# KiCad board Coral Dev Board Micro-PcbDoc.kicad_pcb
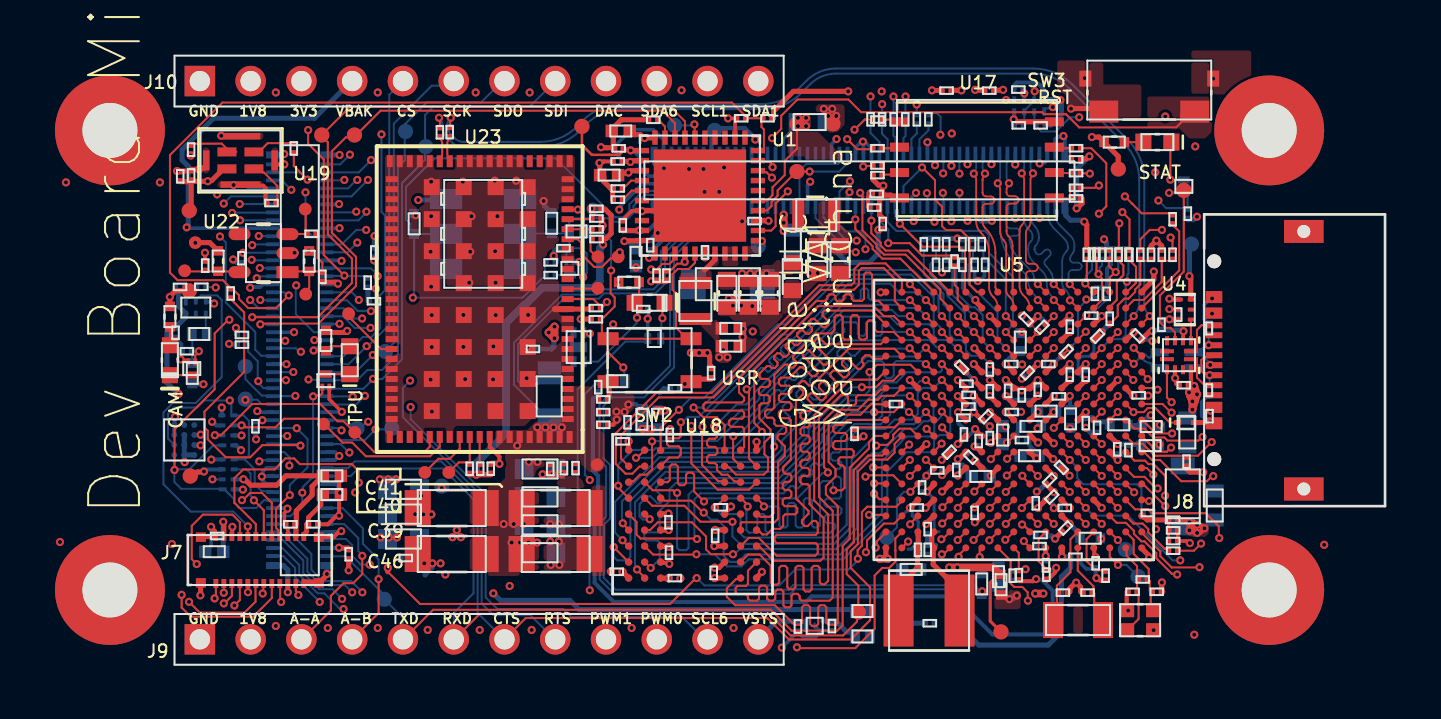
[diagram p0: board, top side]
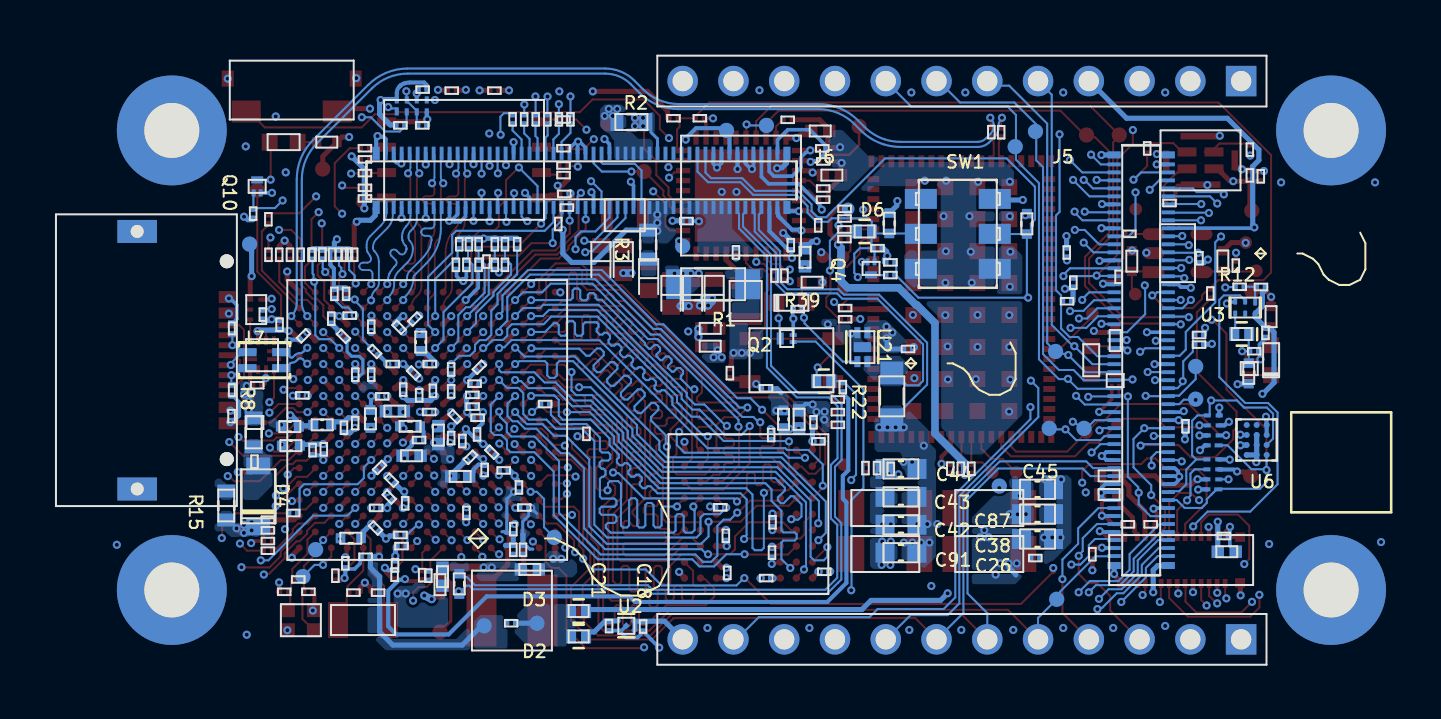
[diagram p1: board, bottom side, seen from below]

Outline 61.2 x 30.48 mm; copper layers: Top, In1.Cu, In2.Cu, In3.Cu, In4.Cu, In5.Cu, In6.Cu, Bottom. Coordinates in mm from the lower left corner of the outline.

## Placement (name value [footprint] x y rotation side)
C1  CAP, CER, X5R, 2.2uF, 20%, 6.3V, 0201, 0.39mm  [C0201_MOD]  24.58 27.27 0 top
C2  CAP, CER, X5R, 1uF, 10V, 10%, 0402, AUTOGRADE  [C0402#2]  22.37 24.5 0 top
C3  CAP, CER, X5R, 1uF, 10V, 10%, 0402, AUTOGRADE  [C0402#4]  23.72 20.39 0 bottom
C4  CAP, CER, X5R, 22uF, 20%, 10V, 0603  [C0603_L_ZEROMASK]  30.43 18.59 0 top
C5  CAP, CER, X5R, 22uF, 20%, 10V, 0603  [C0603_L_ZEROMASK]  31.54 19.42 0 top
C6  CAP, CER, X5R, 22uF, 20%, 10V, 0603  [C0603_L_ZEROMASK]  28.27 18.59 0 top
C7  CAP, CER, X5R, 22uF, 20%, 10V, 0603  [C0603_L_ZEROMASK]  29.35 18.59 0 top
C8  CAP, CER, X5R, 22uF, 20%, 10V, 0603  [C0603_L_ZEROMASK]  32.81 20.27 0 top
C9  CAP, CER, X5R, 22uF, 20%, 10V, 0603  [C0603_L_ZEROMASK]  33.93 20.27 0 top
C10  CAP, CER, X5R, 22uF, 20%, 6.3V, 0402  [C0402]  28.46 16.83 0 top
C11  CAP, CER, X5R, 22uF, 20%, 6.3V, 0402  [C0402]  28.46 15.94 0 top
C12  CAP, CER, X6S, 1uF, 20%, 6.3V, 0201, 0.39mm  [C0201_MOD#2]  22.86 25.84 0 top
C13  CAP, CER, X5R, 2.2uF, 20%, 6.3V, 0201, 0.39mm  [C0201_MOD#2]  22.8 25.19 0 top
C14  CAP, CER, X5R, 2.2uF, 20%, 6.3V, 0201, 0.39mm  [C0201_MOD#4]  23.06 21.99 0 top
C15  CAP, CER, X5R, 2.2uF, 20%, 6.3V, 0201, 0.39mm  [C0201_MOD#3]  24.43 21 0 bottom
C16  CAP, CER, X5R, 0.22uF, 6.3V, 10%, 0201, 0.33mm T  [C0201_MOD#2]  22.81 23.28 0 top
C17  CAP, CER, X6S, 1uF, 20%, 6.3V, 0201, 0.39mm  [C0201_MOD#2]  29.65 22.2 0 bottom
C18  CAP, CER, X6S, 1uF, 20%, 6.3V, 0201, 0.39mm  [C0201_MOD#4]  31.82 1.91 0 bottom
C19  CAP, CER, X5R, 0.1uF, 25V, 20%, 0201, 0.33mm T  [C0201_MOD#2]  41.39 28.73 0 top
C20  CAP, CER, X6S, 1uF, 20%, 6.3V, 0201, 0.39mm  [C0201_MOD#4]  0.92 24.44 0 top
C21  CAP, CER, X6S, 1uF, 20%, 6.3V, 0201, 0.39mm  [C0201_MOD#4]  33.52 1.93 0 bottom
C22  CAP, CER, X5R, 0.1uF, 25V, 20%, 0201, 0.33mm T  [C0201_MOD#2]  39.26 28.73 0 top
C23  CAP, CER, X5R, 0.1uF, 25V, 20%, 0201, 0.33mm T  [C0201_MOD]  25.67 13.84 0 bottom
C24  CAP, CER, X5R, 0.1uF, 25V, 20%, 0201, 0.33mm T  [C0201_MOD#3]  10.63 20.63 0 bottom
C25  CAP, CER, X5R, 0.1uF, 25V, 20%, 0201, 0.33mm T  [C0201_MOD#4]  9.34 5.53 0 top
C26  CAP, CER, X5R, 0.1uF, 25V, 20%, 0201, 0.33mm T  [C0201_MOD]  12.2 5.34 0 bottom
C27  CAP, CER, X5R, 0.1uF, 25V, 20%, 0201, 0.33mm T  [C0201_MOD#2]  2.76 6.44 0 bottom
C28  CAP, CER, X5R, 0.1uF, 25V, 20%, 0201, 0.33mm T  [C0201_MOD#3]  27.48 14.59 0 top
C29  CAP, CER, X5R, 10uF, 10V, 20%, 0402, 0.7mm T  [C0402#2]  2.62 5.66 0 bottom
C30  CAP, CER, X5R, 0.1uF, 25V, 20%, 0201, 0.33mm T  [C0201_MOD#2]  18.57 15.8 0 bottom
C31  CAP, CER, X5R, 10uF, 10V, 20%, 0402, 0.7mm T  [C0402]  8.5 9.45 0 top
C32  CAP, CER, X5R, 1uF, 10V, 10%, 0402, AUTOGRADE  [C0402#2]  22.96 26.71 0 top
C33  CAP, CER, X5R, 4.7uF, 20%, 6.3V, 0201  [C0201_MOD]  50.59 6.72 0 top
C34  CAP, CER, NP0, 10pF, 25V, 5%, 0201, 0.33mm T  [C0201_MOD#3]  34.65 11.55 0 top
C35  CAP, CER, X5R, 10uF, 10V, 20%, 0402, 0.7mm T  [C0402]  8.5 8.52 0 top
C36  CAP, CER, X6S, 0.047uF, 16V, 10%, 0201, 0.33mm T  [C0201_MOD#2]  1.25 15.69 0 bottom
C37  CAP, CER, X5R, 0.1uF, 25V, 20%, 0201, 0.33mm T  [C0201_MOD#4]  0.68 16.61 0 bottom
C38  CAP, CER, X5R, 22uF, 20%, 10V, 0603  [C0603]  12.09 6.29 0 bottom
C39  CAP, CER, X5R, 100UF, 6.3V, 20%, 1206  [C1206Y_1.90MM]  14.5 7.84 0 top
C40  CAP, CER, X5R, 100UF, 6.3V, 20%, 1206  [C1206Y_1.90MM#2]  19.7 5.54 0 top
C41  CAP, CER, X5R, 100UF, 6.3V, 20%, 1206  [C1206Y_1.90MM#2]  19.7 7.84 0 top
C42  CAP, CER, X5R, 22uF, 20%, 10V, 0603  [C0603]  18.92 7 0 bottom
C43  CAP, CER, X5R, 22uF, 20%, 10V, 0603  [C0603]  18.92 8.4 0 bottom
C44  CAP, CER, X5R, 22uF, 20%, 10V, 0603  [C0603]  18.92 9.8 0 bottom
C45  CAP, CER, X5R, 22uF, 20%, 10V, 0603  [C0603]  12.09 8.78 0 bottom
C46  CAP, CER, X5R, 100UF, 6.3V, 20%, 1206  [C1206Y_1.90MM]  14.5 5.54 0 top
C57  CAP, CER, X5R, 2.2uF, 20%, 6.3V, 0201, 0.39mm  [C0201_MOD#3]  41.42 11.35 0 bottom
C61  CAP, CER, X5R, 22uF, 20%, 6.3V, 0402  [C0402]  44.24 12.69 0 bottom
C62  CAP, CER, X5R, 4.7uF, 20%, 6.3V, 0201  [C0201_MOD]  42.52 12.65 0 bottom
C63  CAP, CER, X5R, 22uF, 20%, 6.3V, 0402  [C0402]  43.4 10.46 0 bottom
C67  CAP, CER, X5R, 0.1uF, 25V, 20%, 0201, 0.33mm T  [C0201_MOD#3]  41.42 13.68 0 bottom
C74  CAP, CER, X5R, 10uF, 10V, 20%, 0402, 0.7mm T  [C0402#3]  42.06 11.49 0 bottom
C79  CAP, CER, X5R, 0.1uF, 25V, 20%, 0201, 0.33mm T  [C0201_MOD#2]  6.43 7.03 0 top
C80  CAP, CER, X5R, 0.1uF, 25V, 20%, 0201, 0.33mm T  [C0201_MOD]  7.57 7.03 0 top
C81  CAP, CER, X5R, 0.1uF, 25V, 20%, 0201, 0.33mm T  [C0201_MOD#2]  35.76 23.56 0 top
C82  CAP, CER, X6S, 1uF, 20%, 6.3V, 0201, 0.39mm  [C0201_MOD#2]  35.63 22.88 0 top
C83  CAP, CER, X5R, 0.1uF, 25V, 20%, 0201, 0.33mm T  [C0201_MOD#4]  1.46 24.49 0 top
C84  CAP, CER, X5R, 0.1uF, 25V, 20%, 0201, 0.33mm T  [C0201_MOD#2]  51.13 13.99 0 top
C85  CAP, CER, X5R, 4.7uF, 20%, 6.3V, 0201  [C0201_MOD#4]  52.41 12.44 0 bottom
C87  CAP, CER, X5R, 22uF, 20%, 10V, 0603  [C0603]  12.09 7.54 0 bottom
C88  CAP, CER, X6S, 1uF, 20%, 6.3V, 0201, 0.39mm  [C0201_MOD#3]  8.03 19.41 0 top
C90  CAP, CER, X5R, 0.1uF, 25V, 20%, 0201, 0.33mm T  [C0201_MOD#3]  19.43 9.8 0 top
C91  CAP, CER, X5R, 22uF, 20%, 10V, 0603  [C0603]  18.92 5.61 0 bottom
C92  CAP, CER, X6S, 1uF, 20%, 6.3V, 0201, 0.39mm  [C0201_MOD#4]  2.17 19.97 0 top
C93  CAP, CER, X5R, 0.1uF, 25V, 20%, 0201, 0.33mm T  [C0201_MOD]  22.08 12.64 0 top
C94  CAP, CER, X5R, 0.1uF, 25V, 20%, 0201, 0.33mm T  [C0201_MOD]  22.08 13.28 0 top
C95  CAP, CER, X5R, 0.1uF, 25V, 20%, 0201, 0.33mm T  [C0201_MOD]  22.08 12.01 0 top
C96  CAP, CER, X5R, 0.1uF, 25V, 20%, 0201, 0.33mm T  [C0201_MOD#3]  20.12 9.84 0 top
C97  CAP, CER, X5R, 0.1uF, 25V, 20%, 0201, 0.33mm T  [C0201_MOD#3]  20.69 9.84 0 top
C98  CAP, CER, X5R, 0.1uF, 25V, 20%, 0201, 0.33mm T  [C0201_MOD#4]  16.45 9.81 0 top
C102  CAP, CER, X5R, 0.1uF, 25V, 20%, 0201, 0.33mm T  [C0201_MOD#8]  39.39 10.64 0 bottom
C107  CAP, CER, X5R, 0.22uF, 6.3V, 10%, 0201, 0.33mm T  [C0201_MOD#3]  47.22 4.45 0 top
C109  CAP, CER, C0G, 18pF, 50V, 2%, 0201, 0.33mm T  [C0201_MOD#2]  46.31 3.61 0 top
C110  CAP, CER, C0G, 18pF, 50V, 2%, 0201, 0.33mm T  [C0201_MOD]  45.08 3.61 0 top
C115  CAP, CER, X5R, 0.1uF, 25V, 20%, 0201, 0.33mm T  [C0201_MOD]  43.96 6.5 0 bottom
C117  CAP, CER, X6S, 1uF, 20%, 6.3V, 0201, 0.39mm  [C0201_MOD#4]  47.8 10.78 0 bottom
C118  CAP, CER, X5R, 22uF, 20%, 6.3V, 0402  [C0402#4]  41.86 4.41 0 bottom
C119  CAP, CER, X6S, 1uF, 20%, 6.3V, 0201, 0.39mm  [C0201_MOD]  42.49 15.05 0 bottom
C124  CAP, CER, X5R, 2.2uF, 20%, 6.3V, 0201, 0.39mm  [C0201_MOD#5]  40.46 10.38 0 bottom
C136  CAP, CER, X5R, 0.1uF, 25V, 20%, 0201, 0.33mm T  [C0201_MOD#6]  44.41 9.24 0 bottom
C138  CAP, CER, X5R, 10uF, 10V, 20%, 0402, 0.7mm T  [C0402#2]  40.97 9.42 0 bottom
C223  CAP, CER, X5R, 0.1uF, 25V, 20%, 0201, 0.33mm T  [C0201_MOD#2]  22.75 4.65 0 bottom
C224  CAP, CER, X5R, 4.7uF, 20%, 6.3V, 0201  [C0201_MOD#3]  23.3 12.13 0 bottom
C233  CAP, CER, X5R, 0.1uF, 25V, 20%, 0201, 0.33mm T  [C0201_MOD#4]  27.61 4.59 0 bottom
C234  CAP, CER, X5R, 0.1uF, 25V, 20%, 0201, 0.33mm T  [C0201_MOD#4]  27.68 6.45 0 bottom
C235  CAP, CER, X5R, 4.7uF, 20%, 6.3V, 0201  [C0201_MOD]  40.36 13.51 0 bottom
C239  CAP, CER, X5R, 2.2uF, 20%, 6.3V, 0201, 0.39mm  [C0201_MOD]  40.25 14.06 0 bottom
C241  CAP, CER, X5R, 4.7uF, 20%, 6.3V, 0201  [C0201_MOD#4]  40.13 11.52 0 bottom
C242  CAP, CER, X5R, 2.2uF, 20%, 6.3V, 0201, 0.39mm  [C0201_MOD#3]  47.42 17.32 0 bottom
C244  CAP, CER, X6S, 1uF, 20%, 6.3V, 0201, 0.39mm  [C0201_MOD#3]  45.42 14.52 0 bottom
C245  CAP, CER, X5R, 0.1uF, 25V, 20%, 0201, 0.33mm T  [C0201_MOD#4]  46.79 11.86 0 bottom
C251  CAP, CER, X6S, 1uF, 20%, 6.3V, 0201, 0.39mm  [C0201_MOD#7]  48.81 16.46 0 bottom
C252  CAP, CER, X6S, 1uF, 20%, 6.3V, 0201, 0.39mm  [C0201_MOD#3]  50.01 17.01 0 bottom
C254  CAP, CER, X5R, 2.2uF, 20%, 6.3V, 0201, 0.39mm  [C0201_MOD#3]  46.22 14.52 0 bottom
C256  CAP, CER, X5R, 2.2uF, 20%, 6.3V, 0201, 0.39mm  [C0201_MOD#4]  40.66 7.6 0 bottom
C257  CAP, CER, X6S, 1uF, 20%, 6.3V, 0201, 0.39mm  [C0201_MOD#4]  46.22 12.09 0 bottom
C258  CAP, CER, X5R, 2.2uF, 20%, 6.3V, 0201, 0.39mm  [C0201_MOD#5]  45 9.87 0 bottom
C260  CAP, CER, X5R, 4.7uF, 20%, 6.3V, 0201  [C0201_MOD#3]  42.34 13.71 0 bottom
C261  CAP, CER, X5R, 4.7uF, 20%, 6.3V, 0201  [C0201_MOD#3]  43.02 13.48 0 bottom
C264  CAP, CER, X6S, 1uF, 20%, 6.3V, 0201, 0.39mm  [C0201_MOD#3]  43.82 13.77 0 bottom
C265  CAP, CER, X5R, 2.2uF, 20%, 6.3V, 0201, 0.39mm  [C0201_MOD]  40.1 12.36 0 bottom
C266  CAP, CER, X6S, 1uF, 20%, 6.3V, 0201, 0.39mm  [C0201_MOD#6]  41.23 12.41 0 bottom
C267  CAP, CER, X5R, 0.1uF, 25V, 20%, 0201, 0.33mm T  [C0201_MOD#4]  25.37 5.61 0 bottom
C268  CAP, CER, X5R, 0.1uF, 25V, 20%, 0201, 0.33mm T  [C0201_MOD]  25.66 4.34 0 bottom
C269  CAP, CER, X5R, 0.1uF, 25V, 20%, 0201, 0.33mm T  [C0201_MOD]  43.03 11.24 0 bottom
C270  CAP, CER, X6S, 1uF, 20%, 6.3V, 0201, 0.39mm  [C0201_MOD#2]  44.88 13.43 0 bottom
C272  CAP, CER, X6S, 1uF, 20%, 6.3V, 0201, 0.39mm  [C0201_MOD]  44.35 15.05 0 bottom
C273  CAP, CER, X5R, 0.1uF, 25V, 20%, 0201, 0.33mm T  [C0201_MOD#3]  40.86 11.19 0 bottom
C276  CAP, CER, X5R, 2.2uF, 20%, 6.3V, 0201, 0.39mm  [C0201_MOD#6]  44.52 8.4 0 bottom
C277  CAP, CER, X5R, 4.7uF, 20%, 6.3V, 0201  [C0201_MOD#2]  38.79 9.72 0 bottom
C279  CAP, CER, X5R, 0.1uF, 25V, 20%, 0201, 0.33mm T  [C0201_MOD#3]  39.75 9.75 0 bottom
C280  CAP, CER, X5R, 0.1uF, 25V, 20%, 0201, 0.33mm T  [C0201_MOD#4]  42.57 4.46 0 bottom
C285  CAP, CER, X5R, 2.2uF, 20%, 6.3V, 0201, 0.39mm  [C0201_MOD#3]  45.42 16.92 0 bottom
C286  CAP, CER, X5R, 0.22uF, 6.3V, 10%, 0201, 0.33mm T  [C0201_MOD]  37.77 7.87 0 bottom
C287  CAP, CER, X5R, 0.1uF, 25V, 20%, 0201, 0.33mm T  [C0201_MOD#3]  38.03 8.87 0 bottom
C290  CAP, CER, X5R, 4.7uF, 20%, 6.3V, 0201  [C0201_MOD#2]  45.17 7.85 0 bottom
C293  CAP, CER, X5R, 2.2uF, 20%, 6.3V, 0201, 0.39mm  [C0201_MOD#4]  44.23 4.97 0 bottom
C294  CAP, CER, X5R, 22uF, 20%, 6.3V, 0402  [C0402#2]  37.49 4.77 0 bottom
C296  CAP, CER, X5R, 2.2uF, 20%, 6.3V, 0201, 0.39mm  [C0201_MOD#3]  43.72 8.08 0 bottom
C297  CAP, CER, X5R, 22uF, 20%, 6.3V, 0402  [C0402#5]  24.02 12.28 0 bottom
C300  CAP, CER, X5R, 4.7uF, 20%, 6.3V, 0201  [C0201_MOD#6]  45.2 6.84 0 bottom
C302  CAP, CER, X6S, 1uF, 20%, 6.3V, 0201, 0.39mm  [C0201_MOD]  45.71 5.4 0 bottom
C303  CAP, CER, X5R, 0.1uF, 25V, 20%, 0201, 0.33mm T  [C0201_MOD#2]  23.05 11.18 0 bottom
C304  CAP, CER, X5R, 0.1uF, 25V, 20%, 0201, 0.33mm T  [C0201_MOD#4]  25.35 7.13 0 bottom
C305  CAP, CER, X5R, 0.1uF, 25V, 20%, 0201, 0.33mm T  [C0201_MOD#4]  46.72 5.08 0 bottom
C316  CAP, CER, NP0, 10pf, 50V, 5%, 0201, 0.33mm T  [C0201_MOD]  48.57 3.65 0 top
C317  CAP, CER, NP0, 10pf, 50V, 5%, 0201, 0.33mm T  [C0201_MOD]  49.78 3.65 0 top
C327  CAP, CER, X5R, 2.2uF, 20%, 6.3V, 0201, 0.39mm  [C0201_MOD#7]  40.01 14.89 0 bottom
C345  CAP, CER, X5R, 4.7uF, 20%, 6.3V, 0201  [C0201_MOD]  40.35 12.92 0 bottom
C347  CAP, CER, X5R, 2.2uF, 20%, 6.3V, 0201, 0.39mm  [C0201_MOD]  48.87 13.48 0 bottom
C348  CAP, CER, X5R, 4.7uF, 20%, 6.3V, 0201  [C0201_MOD#4]  48.36 10.74 0 bottom
D1  DIODE, SCHOTTKY, 40V VRRM, 30mA IO, 500mA SURGE, 0402  [D0402_H0.55MM]  22.78 14.19 0 bottom
D2  DIODE, SCHOTTKY, 40V VRRM, 30mA IO, 500mA SURGE, 0402  [D0402_H0.55MM]  35.05 1.41 0 bottom
D3  DIODE, SCHOTTKY, 40V VRRM, 30mA IO, 500mA SURGE, 0402  [D0402_H0.55MM]  35.05 2.68 0 bottom
D4  DIODE, SCHOTTKY, 20V VRRM, 2A IO, 45A SURGE, SOD-123F  [SOD123_AK]  51.08 8.43 0 bottom
D5  DIODE, SCHOTTKY, 40V VRRM, 30mA IO, 500mA SURGE, 0402  [D0402_H0.55MM#2]  1.87 16.55 0 bottom
D6  DIODE, SCHOTTKY, 40V VRRM, 30mA IO, 500mA SURGE, 0402  [D0402_H0.55MM]  20.74 21.68 0 bottom
D31  TVS, DIODE, UNIDIR, 3.3VRWM, 4.8VBR, 7.8VCL, SOD-923  [SOD1060X40]  51.24 12.12 0 top
ESD1  DIODE TVS 15kV 10V 50A 8pF SMT RoHS  [0201]  52.4 16.83 0 bottom
ESD2  DIODE TVS 15kV 10V 50A 8pF SMT RoHS  [0201#2]  52.4 13.74 0 bottom
FB1  FERRITE, BEAD, 120 OHMS@100MHZ, 25%, 550mA, 190 mOHM DCR, 0402  [L0402_H0.55MM]  47.88 12.01 0 bottom
FB2  FERRITE, BEAD, 120 OHMS@100MHZ, 25%, 550mA, 190 mOHM DCR, 0402  [L0402_H0.55MM#3]  49.44 10.97 0 bottom
FB3  FERRITE, BEAD, 120 OHMS@100MHZ, 25%, 550mA, 190 mOHM DCR, 0402  [L0402_H0.55MM#2]  42.95 16.15 0 bottom
FB4  FERRITE, BEAD, 120 OHMS@100MHZ, 25%, 550mA, 190 mOHM DCR, 0402  [L0402_H0.55MM#4]  45.46 12.3 0 bottom
FB5  FERRITE, BEAD, 120 OHMS@100MHZ, 25%, 550mA, 190 mOHM DCR, 0402  [L0402_H0.55MM]  49.49 11.92 0 bottom
FB6  FERRITE, BEAD, 120 OHMS@100MHZ, 25%, 550mA, 190 mOHM DCR, 0402  [L0402_H0.55MM#2]  24.79 12.28 0 bottom
J5  CONN, HDR, VERT, 2x50, 0.4MM P, 1.14MM H, GOLD, SMD  [HIROSE_DF40C-100DP-0.4V(51)]  6.9 15.24 0 bottom
J6  CONN, HDR, VERT, 2x50, 0.4MM P, 1.14MM H, GOLD, SMD  [HIROSE_DF40C-100DP-0.4V(51)#2]  34.9 24.24 0 bottom
J7  HM01B0, CONN, RCPT, OUTER SHROUD, 2x12 PIN, 0.4MM P, 0.65MM H, GOLD, SM  [Molex_5037722410_HM01B0]  4.9 5.24 0 top
J8  CONN, USB-C, RCPT, RA, USB 2.0, 16 P, 0.5MM PITCH, GOLD, SMT  [EDAC_698B116W26A-661]  54.88 15.24 0 top
J9  CONN, HDR, TH, STR, 1X12, 2.54mmP  [HEADER_1X12_POS_UNSHROUDED]  1.9 1.27 0 top
J10  CONN, HDR, TH, STR, 1X12, 2.54mmP  [HEADER_1X12_POS_UNSHROUDED]  1.9 29.21 0 top
L1  IND, PWR, FILM, 1uH, 20%, 3.9A Isat, 3.1A Idc, 0.056 DCR, 2016m, 1.00mm  [L2016_H1.0MM#2]  32.74 22.5 0 top
L2  IND, PWR, FILM, 1uH, 20%, 3.9A Isat, 3.1A Idc, 0.056 DCR, 2016m, 1.00mm  [L2016_H1.0MM]  26.69 18.2 0 top
L7  IND CHK 90 OHM@100MHZ 330MA 25% 0805  [IND4_CHOKE_0805]  50.77 15.24 0 bottom
L15  IND, WIREWOUND, SEMI-SHIELDED, 4.7uH, 1.55A, 20%, DCR 0.091, SMD  [IND_74404041047]  38.38 2.71 0 top
LED2  LED, GREEN, 570nm, 25mA, DIFFUSED, 0603  [LED_0603_0.67mm#2]  0.4 15.24 0 top
LED3  LED, GREEN, 570nm, 25mA, DIFFUSED, 0603  [LED_0603_0.67mm]  24.4 18.11 0 top
LED4  LED, ORANGE, 610NM, WATER CLEAR, GAP, 0603  [LED_0603P_ORANGE]  49.81 26.15 0 top
LED5  LED, WHITE, 0603, SMD  [LED_0603P_WHITE]  9.4 15.24 0 top
NOREF  -  [DEFAULT]  -31.5 -27.16 0 top
Q1  MOSFET, N-CH, 30V, 0.55A, DMN3900  [3XDFN]  1.49 14.82 0 top
Q2  MOSFET, N-CH, 30V, 0.55A, DMN3900  [3XDFN#3]  24.63 16.32 0 bottom
Q3  MOSFET, N-CH, 30V, 0.55A, DMN3900  [3XDFN#2]  8.2 14.22 0 top
Q4  MOSFET, N-CH, 30V, 0.55A, DMN3900  [3XDFN#2]  20.41 19.84 0 bottom
Q10  MOSFET, N-CH, 30V, 0.55A, DMN3900  [3XDFN]  51.13 23.94 0 bottom
R1  RES, 0, 5%, 1/4W, 1206  [R1206]  28.31 19.04 0 bottom
R2  -  [R0603#2]  32.41 27.16 0 bottom
R3  -  [R0603]  31.57 21.02 0 bottom
R4  RES, 10K, 1%, 1/20W, 0201  [R0201_MOD#2]  27.17 20.64 0 bottom
R5  -  [R0201_MOD]  22.81 23.84 0 top
R6  RES, 49.9, 1%, 1/20W, 0201  [R0201_MOD#3]  3.44 18.58 0 top
R7  RES, 100K, 1%, 1/20W, 0201  [R0201_MOD]  30.3 27.35 0 top
R8  RES, 0, JUMPER, 1/8W, 0603  [R0603]  51.3 11.63 0 bottom
R9  RES, 1M, 1%, 1/20W, 0201  [R0201_MOD]  28.98 27.35 0 top
R10  RES, 0.0, 1/20W, 0201  [R0201_MOD#2]  35.45 27.3 0 bottom
R11  -  [R0402#3]  1.52 14.58 0 bottom
R12  RES, 0.0, 1/20W, 0201  [R0201_MOD]  1.97 18.92 0 bottom
R13  RES, 100K, 1%, 1/20W, 0201  [R0201_MOD#4]  0.91 18.91 0 bottom
R14  RES, 0.0, 1/20W, 0201  [R0201_MOD#2]  44.26 4.51 0 top
R15  RES, 0, JUMPER, 1/8W, 0603  [R0603]  52.68 7.97 0 bottom
R16  RES, 0.0, 1/20W, 0201  [R0201_MOD#2]  36.03 27.3 0 bottom
R17  RES, 100K, 1%, 1/20W, 0201  [R0201_MOD#2]  50.85 17.52 0 bottom
R18  RES, 0.0, 1/20W, 0201  [R0201_MOD#2]  36.61 27.3 0 bottom
R19  RES, 0.0, 1/20W, 0201  [R0201_MOD#2]  37.19 27.3 0 bottom
R20  RES, 0.0, 1/20W, 0201  [R0201_MOD#2]  37.77 27.3 0 bottom
R21  RES, 100K, 1%, 1/20W, 0201  [R0201_MOD#4]  42.85 28.78 0 bottom
R22  RES, 0, JUMPER, 1/8W, 0805  [R0805]  19.38 13.43 0 bottom
R23  RES, 10K, 1%, 1/20W, 0201  [R0201_MOD#2]  48.36 20.52 0 bottom
R24  RES, 10K, 1%, 1/20W, 0201  [R0201_MOD#3]  3.98 20.34 0 bottom
R26  RES, 0.0, 1/20W, 0201  [R0201_MOD#2]  38.35 27.3 0 bottom
R27  RES, 100K, 1%, 1/20W, 0201  [R0201_MOD]  42.87 26.99 0 bottom
R29  RES, 4.7K, 5%, 1/20W, 0201  [R0201_MOD#4]  20.09 20.85 0 bottom
R30  RES, 4.7K, 5%, 1/20W, 0201  [R0201_MOD]  19.45 20.13 0 bottom
R31  RES, 100, 5%, 1/20W, 0201  [R0201_MOD#4]  19.45 19.5 0 bottom
R32  RES, 0.0, 1/20W, 0201  [R0201_MOD#3]  50.56 20.52 0 top
R33  RES, 0.0, 1/20W, 0201  [R0201_MOD#3]  48.95 20.52 0 top
R34  RES, 0.0, 1/20W, 0201  [R0201_MOD#3]  50.57 22.29 0 top
R35  RES, 0.0, 1/20W, 0201  [R0201_MOD#3]  47.88 20.52 0 top
R36  RES, 0.0, 1/20W, 0201  [R0201_MOD#3]  48.41 20.52 0 top
R37  RES, 4.7K, 5%, 1/20W, 0201  [R0201_MOD#4]  4 16.02 0 bottom
R38  RES, 4.7K, 5%, 1/20W, 0201  [R0201_MOD]  4 16.5 0 bottom
R39  RES, 4.7K, 5%, 1/20W, 0201  [R0201_MOD#4]  24.08 17.8 0 bottom
R40  RES, 1M, 1%, 1/20W, 0201  [R0201_MOD]  50.59 7.26 0 top
R41  -  [R0201_MOD#4]  50.59 6.19 0 top
R43  RES, 0.0, 1/20W, 0201  [R0201_MOD]  50.59 5.71 0 top
R44  RES, 0.0, 1/20W, 0201  [R0201_MOD]  49.33 7.59 0 bottom
R45  RES, 0.0, 1/20W, 0201  [R0201_MOD#3]  39.66 20.18 0 top
R46  RES, 2.2K, 5%, 1/20W, 0201  [R0201_MOD#2]  51.26 10.16 0 top
R47  RES, 2.2K, 5%, 1/20W, 0201  [R0201_MOD#4]  10.61 18.19 0 bottom
R48  RES, 2.2K, 5%, 1/20W, 0201  [R0201_MOD#2]  24.75 19.47 0 top
R49  RES, 2.2K, 5%, 1/20W, 0201  [R0201_MOD#2]  25.24 19.47 0 top
R50  RES, 2.2K, 5%, 1/20W, 0201  [R0201_MOD#3]  10.3 19.12 0 bottom
R51  RES, 2.2K, 5%, 1/20W, 0201  [R0201_MOD#3]  4.68 11.94 0 bottom
R53  RES, 100K, 1%, 1/20W, 0201  [R0201_MOD]  43.96 26.99 0 bottom
R71  RES, 0.0, 1/20W, 0201  [R0201_MOD#2]  36.06 22.06 0 top
R72  RES, 10K, 1%, 1/20W, 0201  [R0201_MOD]  45.74 23.34 0 top
R73  RES, 33K, 1%, 1/20W, 0201  [R0201_MOD#4]  35.8 24.5 0 top
R74  RES, 33K, 1%, 1/20W, 0201  [R0201_MOD]  45.74 25.29 0 top
R75  RES, 0.0, 1/20W, 0201  [R0201_MOD]  35.8 25.85 0 top
R76  RES, 0.0, 1/20W, 0201  [R0201_MOD]  35.8 27.28 0 top
R78  RES, 0.0, 1/20W, 0201  [R0201_MOD#4]  45.74 24.61 0 top
R79  RES, 0.0, 1/20W, 0201  [R0201_MOD#4]  45.74 23.87 0 top
R84  RES, 0.0, 1/20W, 0201  [R0201_MOD]  35.8 24.99 0 top
R85  RES, 0.0, 1/20W, 0201  [R0201_MOD#4]  45.74 25.85 0 top
R86  RES, 0.0, 1/20W, 0201  [R0201_MOD#3]  6.6 25.84 0 top
R87  RES, 0.0, 1/20W, 0201  [R0201_MOD#2]  1.46 25.78 0 top
R90  RES, 4.7K, 5%, 1/20W, 0201  [R0201_MOD#2]  25.41 11.5 0 bottom
R91  RES, 0.0, 1/20W, 0201  [R0201_MOD]  5.48 23.11 0 top
R93  RES, 0.01, 5%, 1/4W, 0402  [R0402#3]  7.37 20.2 0 top
R95  RES, 10K, 1%, 1/20W, 0201  [R0201_MOD]  7.49 21.56 0 top
R99  RES, 0.01, 5%, 1/4W, 0402  [R0402#2]  2.82 20.2 0 top
R110  RES, 0.0, 1/20W, 0201  [R0201_MOD]  21.75 21.3 0 top
R116  RES, 10K, 1%, 1/20W, 0201  [R0201_MOD]  21.74 22.81 0 top
R117  RES, 0.01, 5%, 1/4W, 0402  [R0402#4]  43.48 11.93 0 bottom
R125  RES, 10K, 1%, 1/20W, 0201  [R0201_MOD#4]  21.75 21.79 0 top
R129  RES, 10K, 1%, 1/20W, 0201  [R0201_MOD#4]  21.74 22.33 0 top
R132  RES, 0.0, 1/20W, 0201  [R0201_MOD#2]  14.4 26.66 0 top
R133  RES, 0.0, 1/20W, 0201  [R0201_MOD#2]  13.91 26.65 0 top
R135  RES, 100K, 1%, 1/20W, 0201  [R0201_MOD#4]  27.96 7.88 0 bottom
R136  RES, 10K, 1%, 1/20W, 0201  [R0201_MOD]  21.71 17.85 0 top
R137  RES, 0.0, 1/20W, 0201  [R0201_MOD#2]  15.92 9.81 0 top
R138  RES, 0.0, 1/20W, 0201  [R0201_MOD#2]  15.4 9.81 0 top
R139  RES, 4.7K, 5%, 1/20W, 0201  [R0201_MOD#7]  43.24 17.3 0 bottom
R140  RES, 4.7K, 5%, 1/20W, 0201  [R0201_MOD#2]  46.68 18.56 0 bottom
R141  RES, 4.7K, 5%, 1/20W, 0201  [R0201_MOD#2]  47.86 20.52 0 bottom
R142  RES, 4.7K, 5%, 1/20W, 0201  [R0201_MOD#2]  47.27 18.56 0 bottom
R143  RES, 4.7K, 5%, 1/20W, 0201  [R0201_MOD#2]  47.04 20.52 0 bottom
R144  RES, 4.7K, 5%, 1/20W, 0201  [R0201_MOD#2]  46.53 20.52 0 bottom
R145  RES, 4.7K, 5%, 1/20W, 0201  [R0201_MOD#2]  40.05 21.04 0 bottom
R146  RES, 4.7K, 5%, 1/20W, 0201  [R0201_MOD#2]  38.12 21.04 0 bottom
R147  RES, 4.7K, 5%, 1/20W, 0201  [R0201_MOD#2]  40.53 21.04 0 bottom
R148  RES, 4.7K, 5%, 1/20W, 0201  [R0201_MOD#2]  38.73 21.04 0 bottom
R149  RES, 4.7K, 5%, 1/20W, 0201  [R0201_MOD#2]  39.24 21.04 0 bottom
R150  RES, 4.7K, 5%, 1/20W, 0201  [R0201_MOD#2]  41.02 21.04 0 bottom
R151  RES, 47K, 5%, 1/20W, 0201  [R0201_MOD#6]  44.03 16.89 0 bottom
R152  RES, 47K, 5%, 1/20W, 0201  [R0201_MOD#5]  45.25 15.68 0 bottom
R153  RES, 47K, 5%, 1/20W, 0201  [R0201_MOD#3]  47.38 20.52 0 top
R154  RES, 47K, 5%, 1/20W, 0201  [R0201_MOD]  46.5 17.47 0 bottom
R155  RES, 47K, 5%, 1/20W, 0201  [R0201_MOD#3]  46.76 20.52 0 top
R156  RES, 47K, 5%, 1/20W, 0201  [R0201_MOD#3]  46.27 20.52 0 top
R157  RES, 47K, 5%, 1/20W, 0201  [R0201_MOD#3]  40.05 20.01 0 bottom
R158  RES, 47K, 5%, 1/20W, 0201  [R0201_MOD#3]  41.42 14.78 0 bottom
R159  RES, 47K, 5%, 1/20W, 0201  [R0201_MOD#3]  40.66 20.01 0 bottom
R160  RES, 47K, 5%, 1/20W, 0201  [R0201_MOD#3]  38.73 20.01 0 bottom
R161  RES, 47K, 5%, 1/20W, 0201  [R0201_MOD#3]  39.24 20.01 0 bottom
R162  RES, 47K, 5%, 1/20W, 0201  [R0201_MOD#3]  41.18 20.01 0 bottom
R163  RES, 4.7K, 1%, 1/10W, 0402  [R0402#2]  12.62 22.07 0 bottom
R164  RES, 100, 5%, 1/16W, 0402, AUTO GRADE  [R0402#2]  19.5 22.1 0 bottom
R166  RES, 100K, 1%, 1/20W, 0201  [R0201_MOD#4]  21.71 17.29 0 top
R167  RES, 100K, 1%, 1/20W, 0201  [R0201_MOD#3]  21.83 13.89 0 bottom
R168  RES, 100, 5%, 1/16W, 0402, AUTO GRADE  [R0402#2]  0.4 17.42 0 top
R169  RES, 100, 5%, 1/16W, 0402, AUTO GRADE  [R0402]  23.36 19.14 0 top
R170  RES, 100, 5%, 1/16W, 0402, AUTO GRADE  [R0402]  47.65 26.15 0 top
R171  RES, 100, 5%, 1/16W, 0402, AUTO GRADE  [R0402#2]  8.2 16.22 0 top
R172  RES, 100K, 1%, 1/20W, 0201  [R0201_MOD#3]  51.33 22.57 0 bottom
R189  RES, 1M, 1%, 1/20W, 0201  [R0201_MOD#4]  49.08 4.27 0 top
R194  RES, 0.01, 5%, 1/4W, 0402  [R0402#2]  41.98 4.01 0 top
R215  RES, 10K, 1%, 1/20W, 0201  [R0201_MOD]  43.91 5.94 0 bottom
R365  RES, 0.0, 1/20W, 0201  [R0201_MOD#4]  36.72 13.05 0 bottom
R373  RES, 10K, 1%, 1/20W, 0201  [R0201_MOD#3]  50.03 20.52 0 top
R374  RES, 10K, 1%, 1/20W, 0201  [R0201_MOD#3]  49.49 20.52 0 top
R375  RES, 0.0, 1/20W, 0201  [R0201_MOD#6]  46.81 16.44 0 bottom
R396  RES, 30K, 5%, 1/20W, 0201  [R0201_MOD#2]  37.83 5.75 0 bottom
R397  RES, 4.7K, 5%, 1/20W, 0201  [R0201_MOD#2]  38.31 5.75 0 bottom
R398  RES, 4.7K, 5%, 1/20W, 0201  [R0201_MOD#3]  38.31 6.79 0 bottom
R415  RES, 0.01, 5%, 1/4W, 0402  [R0402]  46.44 6.33 0 bottom
R416  RES, 0.01, 5%, 1/4W, 0402  [R0402#2]  41.02 4.04 0 bottom
R419  RES, 1.0, 1%, 1/20W, 0201  [R0201_MOD]  38.42 2.08 0 bottom
R1821  RES, 100K, 1%, 1/20W, 0201  [R0201_MOD#2]  42.87 4.48 0 top
R1848  RES, 0.0, 1/20W, 0201  [R0201_MOD#6]  43.31 14.6 0 bottom
SW1  SW, SLIDE, SPDTx2, 100mA, 6VDC, 2-POS, ON-ON, GOLD, SMT  [SWITCH_CAS-D20TA]  16.07 21.56 0 bottom
SW2  SW, TACT, SPST, 0.05A, 16VDC, OVAL ACTUATOR, SMD  [SWITCH_TAH1QR]  24.4 15.24 0 top
SW3  SW, TACT, SPST-NO, OFF-MOM, 0.05A, 12VDC, RA, EDGE MOUNT  [SWITCH_TL4100AF120QG]  49.4 28.51 0 top
TP1  -  [TESTPAD_SMT_30MIL]  21.01 26.94 0 top
TP2  -  [TESTPAD_SMT_30MIL]  1.37 18.71 0 top
TP3  -  [TESTPAD_SMT_30MIL]  31.77 27.07 0 top
TP4  -  [TESTPAD_SMT_30MIL]  31.77 24.68 0 top
TP5  -  [TESTPAD_SMT_30MIL]  9.64 26.51 0 top
TP6  -  [TESTPAD_SMT_30MIL]  8 26.51 0 top
TP7  -  [TESTPAD_SMT_30MIL]  1.42 9.44 0 top
TP8  -  [TESTPAD_SMT_30MIL]  25.65 26.99 0 bottom
TP9  -  [TESTPAD_SMT_30MIL]  9.76 11.83 0 bottom
TP10  -  [TESTPAD_SMT_30MIL]  37.13 2.08 0 bottom
TP11  -  [TESTPAD_SMT_30MIL]  39.77 1.95 0 bottom